# KiCad board hoember_panel.kicad_pcb (continued)
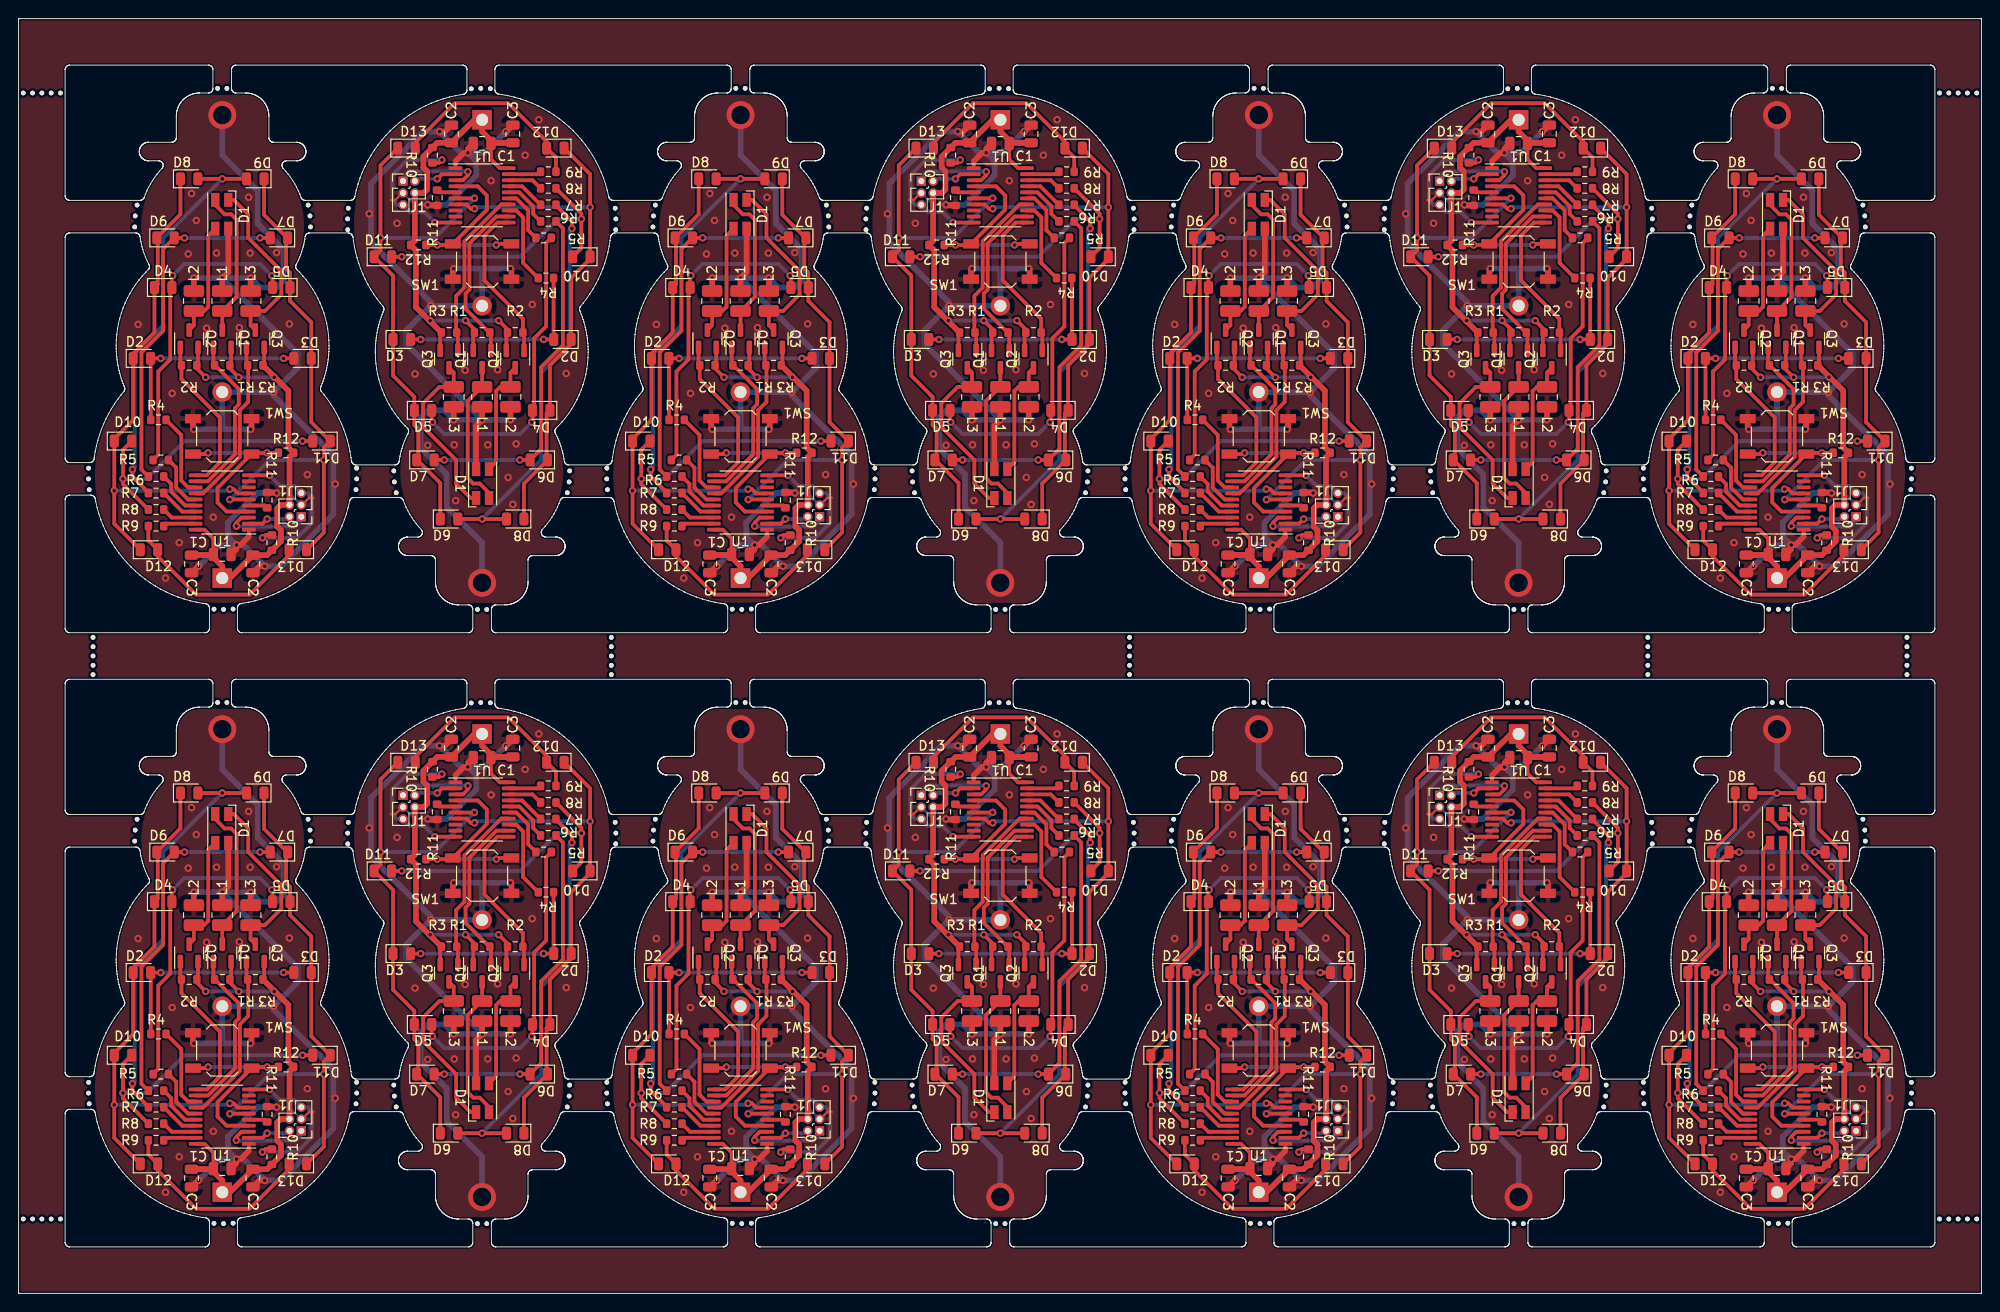
[diagram p0: board, top side]
## Copper pours and planes (outline as drawn; the poured copper is in the pictures) (continued)
Board_10-GND on Top, Bottom: 135.57,-5.35 75.57,-5.35 75.57,74.65 135.57,74.65
Board_11-GND on Top, Bottom: 103.25,76.38 163.25,76.38 163.25,-3.62 103.25,-3.62
Board_12-GND on Top, Bottom: 191.28,-5.35 131.28,-5.35 131.28,74.65 191.28,74.65
Board_13-GND on Top, Bottom: 158.95,76.38 218.95,76.38 218.95,-3.62 158.95,-3.62

## Text on the board
B.Silkscreen: Warranty void if / you can read this. | Vesztettem | PCB by Olivér & Kristóf
